# Altium PCB Velvet_Controller_V2.0_2023.PcbDoc (part 3 of 4) (continued)
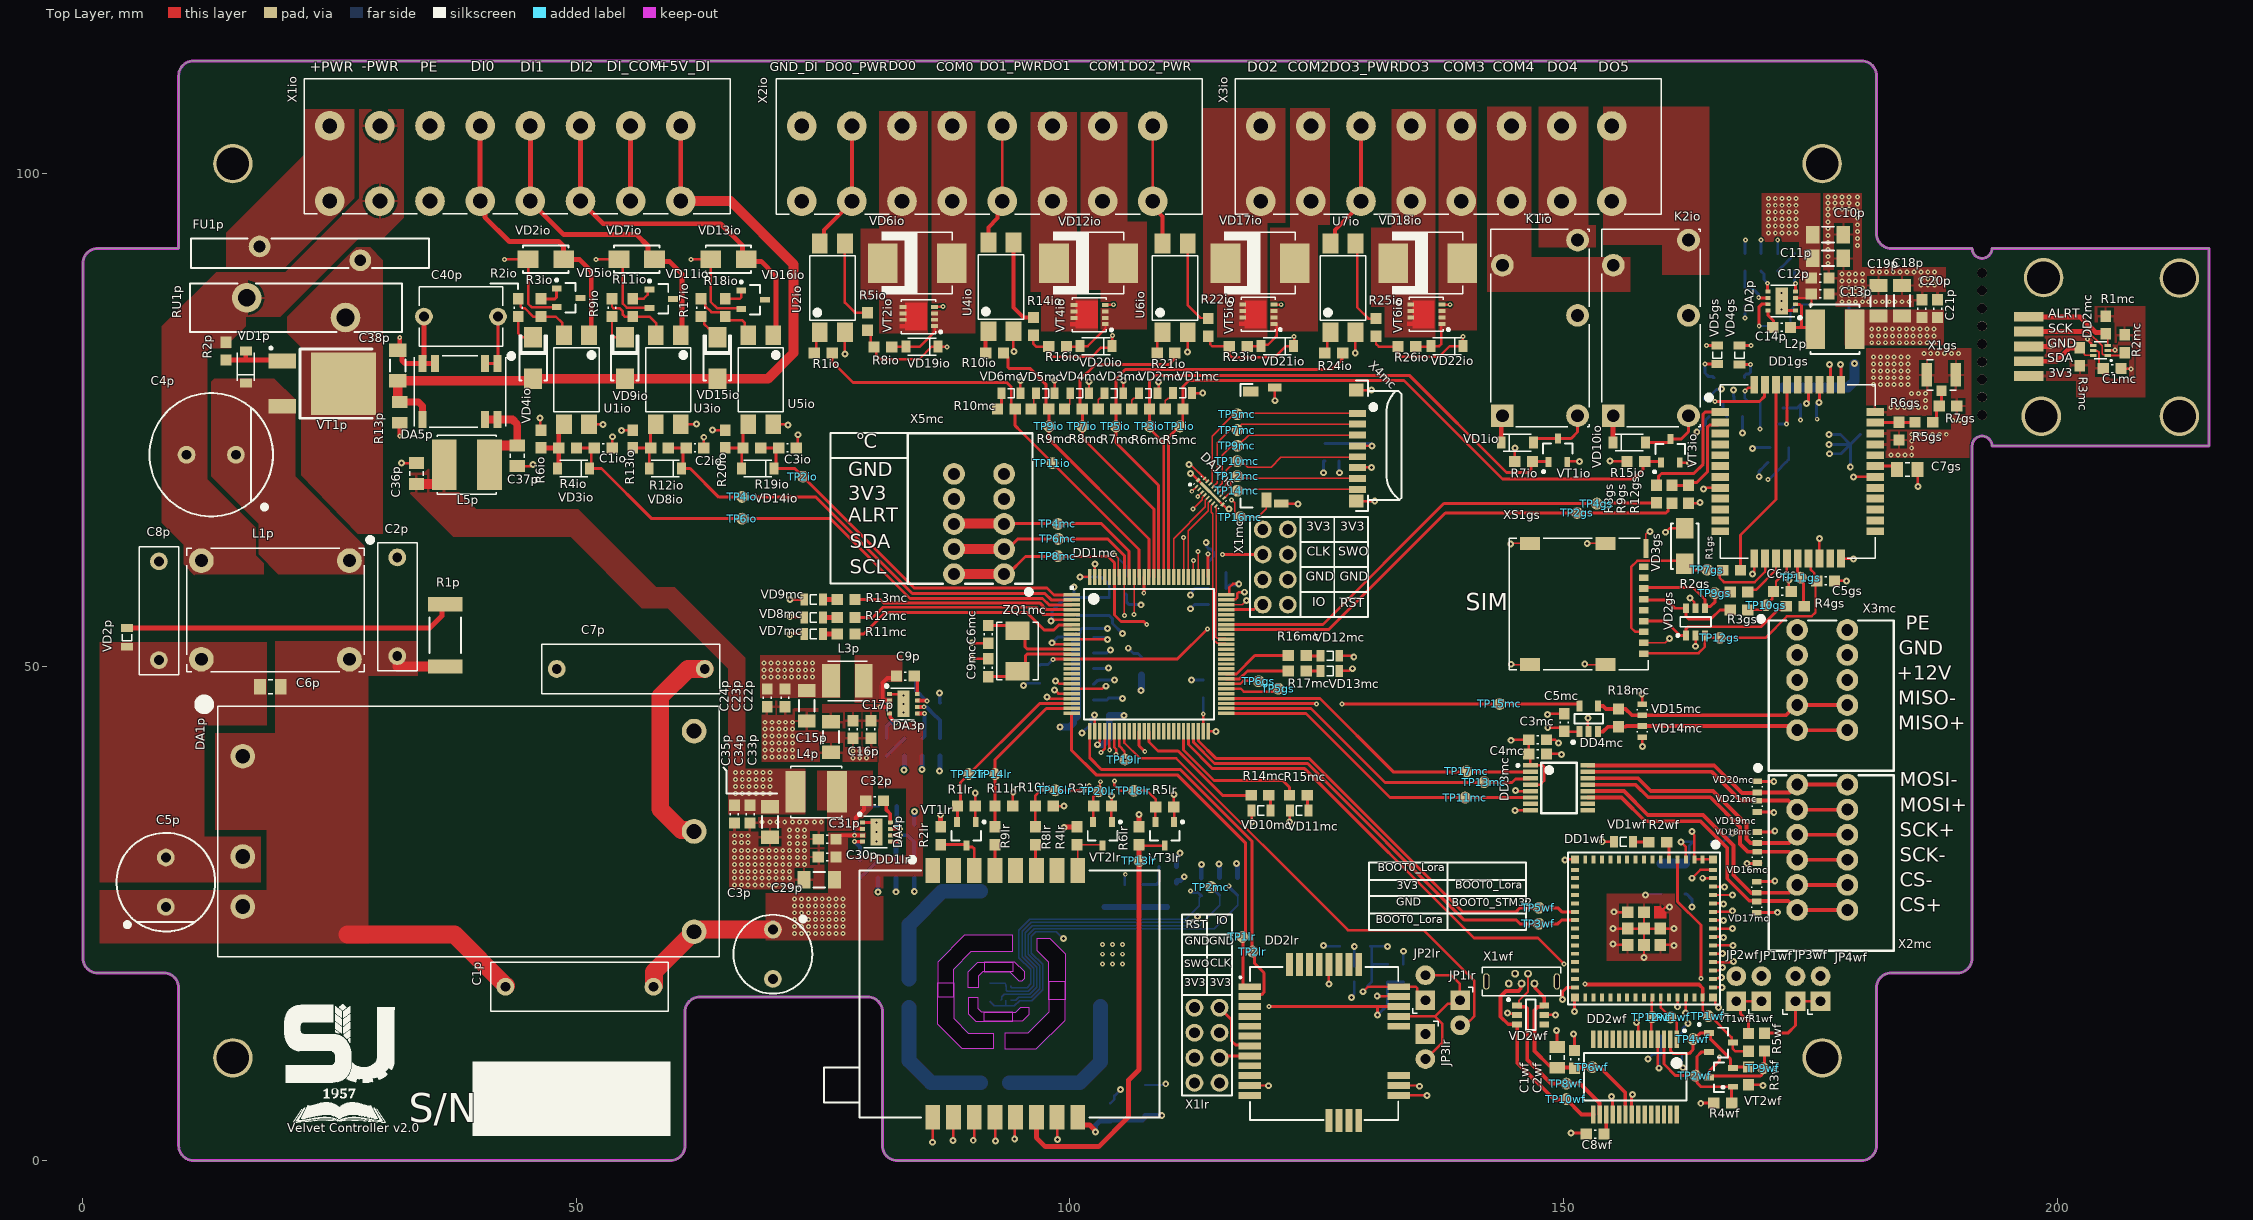
[diagram p0: Top Layer view]
## Nets (pads, with @x,y where several pads share a name; then routed paths per layer and width w, separated by ;. In a path a pad name is that pad's centre, name@x,y a point inside that pad or via, vN(x,y) a via of type N, cw(c..) or ccw(c..) an arc to the next point about the centre after c; other vN are vias at no path point) (continued)
  other v2: 105.3,53.4
GND_DI: C38p.2 C40p.2 DA5p.6 DA5p.7 R13p.1 X2io.1 X2io.9 | length 22.3
  Top Layer w0.5: v1(32.1,73.4) R13p.1@32.1,74.75 ; v1(32.1,83.4) 32.1,82.3 C38p.2@31.9,82.1 31.907,82.1 32.332,81.675 32.332,81.03 32.625,80.737 DA5p.7@34.39,80.737 ; C40p.2@34.55,85.5 34.55,81.347 34.39,81.187 DA5p.7@34.39,80.737 ; DA5p.6@35.66,80.737 DA5p.7@34.39,80.737
  INT1 w0.5: v1(32.1,73.4) v1(32.1,83.4)
GND_TS: C1mc.2 DD2mc.2 DD2mc.4 pad.5@197.125,82.475 | length 5
  Top Layer w0.25: v1(203.09,83.22) 203.138,83.172 203.138,83.097 203.45,82.785 203.45,82.6 203.475,82.575 DD2mc.4@203.66,82.575 ; DD2mc.2@205.14,82.075 205.85,82.075 v1(205.85,82.125) ; C1mc.2@206.475,80.225 206.48,80.22 207.455,80.22 v1(207.475,80.2)
  Top Layer w0.5: pad.5@197.125,82.475 v1(199.4,82.475)
GSM_EN: DD1mc.56 R15gs.2 TP5gs.1 VT3gs.1 | length 68.1
  Top Layer w0.25: DD1mc.56@115.825,47.8 117.3,47.8 117.6,47.5 120.543,47.5 120.843,47.8 v1(121.1,47.8)
  INT1 w0.25: v1(121.1,47.8) 128.75,47.8 145.425,64.475 166.275,64.475 v1@170.75,68.95
  Bottom Layer w0.25: v1(170.7,69) 170.748,69.048 170.848,69.048 172.075,70.275 172.075,70.3 172.5,70.725 R15gs.2@172.525,70.725 172.8,71 VT3gs.1@172.8,72.225
GSM_NETLIGHT: DD1gs.41 R14gs.2 VT2gs.1 | length 9
  Top Layer w0.3: v1(165.325,76.9) 169.849,76.9 170.375,77.426 170.375,78.55 DD1gs.41@170.425,78.6
  Bottom Layer w0.3: v1(165.325,76.9) 166.175,76.9 166.175,75.75 R14gs.2@166.55,75.375
GSM_PWRKEY: DD1gs.39 VT3gs.3 | length 4.7
  Top Layer w0.3: v1(172.6,74.625) 172.625,74.65 DD1gs.39@172.625,78.6
  Bottom Layer w0.3: VT3gs.3@171.85,74.625 v1(172.6,74.625)
GSM_STATUS: DD1gs.42 DD1mc.57 R13gs.2 TP6gs.1 VT1gs.1 | length 73.4
  Top Layer w0.25: DD1mc.57@115.825,48.3 117.275,48.3 117.575,48.6 119.075,48.6 v1(119.125,48.55) ; v1(168.375,77.95) 168.696,78.271 169.05,78.271 169.325,78.546 DD1gs.42@169.325,78.6
  INT1 w0.25: v1(119.125,48.55) 119.171,48.55 119.396,48.325 128.584,48.325 145.209,64.95 164.125,64.95 169.875,70.7 v1@169.875,74.1
  Bottom Layer w0.25: v1(168.375,77.95) 168.375,77.225 168.675,76.925 169.779,76.925 169.925,76.779 R13gs.2@169.925,75.375 169.925,74.125 v1(169.9,74.1)
GSM_UART1_RX: DD1gs.2 R9gs.1 R12gs.2 | length 10.2
  Top Layer w0.3: R9gs.1@161,68.4 R12gs.2@162.65,68.4 162.924,68.674 163.474,68.674 164.6,69.8 164.6,74.337 164.776,74.513 165.638,74.513 DD1gs.2@165.875,74.75
GSM_UART1_TX: DD1gs.1 R8gs.1 | length 12.9
  Top Layer w0.3: R8gs.1@159.425,68.425 159.599,68.599 159.599,69.274 159.925,69.6 163.2,69.6 164.15,70.55 164.15,75.624 164.376,75.85 DD1gs.1@165.875,75.85
LORA_LINK: DD1mc.45 R15mc.2 | length 15
  Top Layer w0.3: DD1mc.45@111.5,43.475 111.5,41.586 114.586,38.5 121.55,38.5 122.245,37.805 R15mc.2@122.245,37
LoRa_UART2_RX: DD1mc.25 DD2lr.1 TP1lr.1 | length 40.5
  Top Layer w0.3: DD1mc.25@100.175,45.3 100.175,41.55 102.65,39.075 110.875,39.075 117.8,32.15 117.8,22.65 117.507,22.357 117.507,17.8 117.707,17.6 DD2lr.1@118.205,17.6
LoRa_UART2_TX: DD1mc.26 DD2lr.2 TP2lr.1 | length 40.1
  Top Layer w0.3: DD1mc.26@102,43.475 102,40.8 103.175,39.625 111.174,39.625 118.45,32.349 118.45,21.375 TP2lr.1@118.61,21.215 ; DD2lr.2@118.205,16.6 118.405,16.8 119.417,16.8 119.655,17.038 119.655,19.02 118.672,20.003 118.672,21.003 TP2lr.1@118.5,21.175
LVDS_ADC_CS_N: DD3mc.12 VD16mc.2 X2mc.5 X2mc.11 | length 32.7
  Top Layer w0.381: DD3mc.12@152.45,37.425 156.125,37.425 158.54,35.01 164.138,35.01 167.225,31.923 167.225,28.9 169.043,27.082 169.907,27.082 169.95,27.125 172.875,27.125 X2mc.5@173.675,27.925 X2mc.11@178.755,27.925
LVDS_ADC_CS_P: DD3mc.11 VD17mc.2 X2mc.6 X2mc.12 | length 32.9
  Top Layer w0.381: DD3mc.11@152.45,36.775 155.877,36.775 158.277,34.375 163.875,34.375 166.59,31.66 166.59,28.538 168.816,26.312 169.548,26.312 169.575,26.285 172.775,26.285 X2mc.6@173.675,25.385 X2mc.12@178.755,25.385
LVDS_ADC_MISO_N: DD4mc.4 R18mc.2 VD15mc.2 X3mc.4 X3mc.9 | length 25.9
  Top Layer w0.381: DD4mc.4@153.5,46.05 153.99,46.05 154.29,45.75 R18mc.2@155.55,45.75 156.29,45.75 156.926,45.115 VD15mc.2@157.975,45.115 172.525,45.115 X3mc.4@173.55,46.14 ; X3mc.4@173.67,46.14 X3mc.9@178.75,46.14
LVDS_ADC_MISO_P: DD4mc.3 R18mc.1 VD14mc.2 X3mc.5 X3mc.10 | length 25.5
  Top Layer w0.381: DD4mc.3@153.5,43.45 153.99,43.45 154.49,43.95 R18mc.1@155.55,43.95 156.29,43.95 156.35,44.01 VD14mc.2@157.975,44.01 173.14,44.01 X3mc.5@173.55,43.6 ; X3mc.5@173.67,43.6 X3mc.10@178.75,43.6
LVDS_ADC_MOSI_N: DD3mc.16 VD20mc.2 X2mc.1 X2mc.7 | length 27.8
  Top Layer w0.381: DD3mc.16@152.45,40.025 165.273,40.025 168.074,37.224 169.244,37.224 169.31,37.29 170,37.29 172.88,37.29 X2mc.1@173.675,38.085 X2mc.7@178.755,38.085
LVDS_ADC_MOSI_P: DD3mc.15 VD21mc.2 X2mc.2 X2mc.8 | length 27.9
  Top Layer w0.381: DD3mc.15@152.45,39.375 165.025,39.375 167.94,36.46 170,36.46 172.76,36.46 X2mc.2@173.675,35.545 X2mc.8@178.755,35.545
LVDS_ADC_SCK_N: DD3mc.13 VD18mc.2 X2mc.4 X2mc.10 | length 30.5
  Top Layer w0.381: DD3mc.13@152.45,38.075 157.302,38.075 158.577,36.8 164.875,36.8 167.89,33.785 167.89,32.062 168.682,31.27 170,31.27 172.87,31.27 X2mc.4@173.675,30.465 X2mc.10@178.755,30.465
LVDS_ADC_SCK_P: DD3mc.14 VD19mc.2 X2mc.3 X2mc.9 | length 30.2
  Top Layer w0.381: DD3mc.14@152.45,38.725 157.55,38.725 158.84,37.435 165.138,37.435 168.525,34.048 168.525,32.575 168.935,32.165 172.835,32.165 X2mc.3@173.675,33.005 X2mc.9@178.755,33.005
MK_GSM_RX: DD1mc.69 R8gs.2 TP4gs.1 | length 48.7
  Top Layer w0.3: DD1mc.69@115.825,54.3 125.625,54.3 137.875,66.55 TP4gs.1@153.375,66.55 153.45,66.625 R8gs.2@159.425,66.625
MK_GSM_TX: DD1mc.68 R9gs.2 TP2gs.1 | length 50.7
  Top Layer w0.3: DD1mc.68@115.825,53.8 126.225,53.8 138.025,65.6 160.375,65.6 160.607,65.832 160.607,66.207 R9gs.2@161,66.6
MK_LVDS_CS: DD1mc.51 DD3mc.6 TP11mc.1 | length 34.4
  Top Layer w0.3: DD1mc.51@115.825,45.3 123.9,45.3 132.425,36.775 TP11mc.1@140.025,36.775 141.975,36.775 DD3mc.6@146.65,36.775
MK_LVDS_MISO: DD1mc.53 DD4mc.5 TP15mc.1 | length 35.9
  Top Layer w0.3: DD1mc.53@115.825,46.3 124.871,46.3 124.921,46.25 v1(124.975,46.25) ; v1@127.55,46.25 TP15mc.1@143.525,46.25 151.45,46.25 151.6,46.1 DD4mc.5@151.6,46.05
  INT1 w0.3: v1(124.975,46.25) v1(127.575,46.25)
MK_LVDS_MOSI: DD1mc.54 DD3mc.2 TP17mc.1 | length 33.9
  Top Layer w0.3: DD1mc.54@115.825,46.8 125.325,46.8 132.75,39.375 DD3mc.2@146.65,39.375
MK_LVDS_SCK: DD1mc.52 DD3mc.3 TP13mc.1 | length 34.1
  Top Layer w0.3: DD1mc.52@115.825,45.8 124.425,45.8 131.925,38.3 141.925,38.3 144.775,38.3 145.125,38.65 146.575,38.65 DD3mc.3@146.65,38.725
MK_To_RFID_EN: DD1mc.31 R5lr.1 TP18lr.1 VT3lr.2 | length 12.7
  Top Layer w0.25: DD1mc.31@104.5,43.475 104.5,41.842 104.675,41.667 v1(104.675,41.125) ; v1(104.504,38.458) 104.504,38.021 105.075,37.45 107.825,37.45 108.7,36.575 R5lr.1@108.7,35.8 108.65,35.75 VT3lr.2@108.65,34.3
  INT1 w0.25: v1(104.504,38.458) 104.5,38.463 104.5,40.882 104.675,41.057 v1(104.675,41.125)
MK_To_RFID_GPI: DD1mc.30 R3lr.1 TP20lr.1 VT2lr.2 | length 9.9
  Top Layer w0.25: VT2lr.2@102.35,34.3 102.35,36.825 102.85,37.325 102.85,37.35 TP20lr.1@102.9,37.4 ; TP20lr.1@102.775,37.425 103.04,37.69 103.04,38.248 103.1,38.307 v1(103.1,38.375) ; DD1mc.30@104,43.475 104,41.6 v1(104.025,41.575) v1@104.025,41.55
  INT1 w0.25: v1(103.1,38.375) 103.975,39.25 103.975,41.457 104.025,41.507 v1(104.025,41.575)
MK_To_RFID_GPO: DD1mc.29 R8lr.1 R10lr.2 TP16lr.1 | length 15.2
  Top Layer w0.25: R8lr.1@96.5,33.8 R10lr.2@96.5,35.9 96.5,36.973 97.038,37.512 101.487,37.512 v1(101.95,37.975) ; v1(103.125,41.325) 103.5,41.7 DD1mc.29@103.5,43.475
  INT1 w0.25: v1(101.95,37.975) 101.979,38.004 101.979,38.329 103.125,39.475 v1(103.125,41.325)
MK_to_RFID_RX: DD1mc.24 R9lr.1 R11lr.2 TP14lr.1 | length 16.7
  Top Layer w0.3: R9lr.1@92.4,33.8 R11lr.2@92.4,35.9 92.4,40.6 97.6,45.8 DD1mc.24@100.175,45.8
MK_to_RFID_TX: DD1mc.23 R1lr.1 TP12lr.1 VT1lr.2 | length 18.7
  Top Layer w0.3: VT1lr.2@88.55,34.3 88.6,34.35 R1lr.1@88.6,35.9 88.912,36.212 88.912,38.287 96.925,46.3 DD1mc.23@100.175,46.3
NetC1p_1: C1p.1 C2p.2 C5p.1 C6p.1 DA1p.1 DA1p.3 L1p.2 R1p.2 | length 24.1
  Top Layer w1: C2p.2@31.85,51.1 31.85,50.05 R1p.2@36.7,50.05
  Top Layer w1.8: 26.8,22.9 37.65,22.9 C1p.1@42.85,17.7
NetC4p_1: C4p.1 L1p.1 VD1p.1 VT1p.2
NetC5p_2: C5p.2 C6p.2 C7p.1 C8p.1 DA1p.2 L1p.4 VD2p.2 | length 38.8
  Top Layer w2.2: L1p.4@12,50.694 L1p.4@12,50.775
  INT1 w1.8: L1p.4@12,50.775 12.134,50.641 12.134,49.186 13.32,48 31.508,48 33.308,49.8 C7p.1@48,49.8
NetC6mc_2: C6mc.2 DD1mc.12 ZQ1mc.2 | length 10.2
  Top Layer w0.3: C6mc.2@91.725,54.2 94.15,54.2 ZQ1mc.2@94.675,53.675 ; ZQ1mc.2@94.244,53.2 95.125,53.2 95.45,52.875 95.45,52.05 95.7,51.8 DD1mc.12@100.175,51.8
NetC7gs_1: C7gs.1 DD1gs.28 | length 2.3
  Top Layer w0.3: DD1gs.28@181.575,70.35 183.425,70.35 C7gs.1@183.775,70
NetC7mc_1: C7mc.1 DD1mc.49 | length 3.4
  Top Layer w0.3: DD1mc.49@113.5,43.475 v1(113.5,45.225)
  Bottom Layer w0.3: v1(113.5,45.225) C7mc.1@113.5,46.875
NetC8mc_1: C8mc.1 DD1mc.73 | length 4.5
  Top Layer w0.15: DD1mc.73@115.825,56.3 117.45,56.3 v2(117.9,56.75)
  Bottom Layer w0.15: C8mc.1@115.825,56.325 117.475,56.325 v2(117.9,56.75)
NetC8wf_1: C8wf.1 DD2wf.17 | length 2.1
  Top Layer w0.381: C8wf.1@154.1,2.675 154.325,2.9 DD2wf.17@154.325,4.675
NetC9mc_2: C9mc.2 DD1mc.13 ZQ1mc.1 | length 9.9
  Top Layer w0.3: C9mc.2@91.725,49.025 94.125,49.025 ZQ1mc.1@94.675,49.575 ; ZQ1mc.1@94.675,49.475 95.474,50.274 95.474,51.124 95.65,51.3 DD1mc.13@100.175,51.3
NetC9p_1: C9p.1 DA3p.8 | length 1.9
  Top Layer w0.381: C9p.1@84.225,49.069 84.525,48.769 DA3p.8@84.525,47.244
NetC9p_2: C9p.2 DA3p.2 L3p.1 | length 4.1
  Top Layer w0.381: DA3p.2@81.725,46.594 81.715,46.604 81.223,46.604 81,46.827 81,48.394 81.501,48.896 82.251,48.896 C9p.2@82.425,49.069
NetC14p_1: C14p.1 DA2p.8 | length 1.9
  Top Layer w0.3: DA2p.8@170.7,86.1 170.7,85.65 171.25,85.1 171.25,84.45 C14p.1@171.2,84.4
NetC14p_2: C14p.2 DA2p.2 L2p.1 | length 5.5
  Top Layer w0.3: C14p.2@173,84.4 173.919,84.4 ; DA2p.2@173.5,86.75 173.531,86.719 173.956,86.719 174.125,86.55 174.125,84.606 173.919,84.4 ; L2p.1@175.5,84.2 175.3,84.4 173.919,84.4
NetC25p_1: C25p.1 R8p.1 | length 2.6
  Bottom Layer w0.381: R8p.1@81.425,40.969 81.425,40.994 81.784,41.354 81.809,41.354 82.84,42.385 82.865,42.385 83.225,42.744 C25p.1@83.225,42.769
NetC26p_1: C26p.1 R7p.1 | length 2.5
  Bottom Layer w0.3: C26p.1@171.7,90.1 171.7,90.125 172.1,90.525 172.125,90.525 173,91.4 173,91.5 R7p.1@173.4,91.9
NetC27p_1: C27p.1 DA2p.5 | length 2.3
  Top Layer w0.3: v1(170.675,88.875) 170.675,88.075 DA2p.5@170.7,88.05
  Bottom Layer w0.3: C27p.1@170,90.1 170.299,89.801 170.299,89.251 v1(170.675,88.875)
NetC28p_1: C28p.1 DA3p.5 | length 3.3
  Top Layer w0.381: DA3p.5@84.525,45.294 v1(85.25,45.294)
  Bottom Layer w0.381: C28p.1@85.025,42.769 85.25,42.994 v1(85.25,45.294)
NetC32p_1: C32p.1 DA4p.8 | length 2.5
  Top Layer w0.381: C32p.1@81.1,36.45 81.373,36.177 81.373,35.552 81.8,35.125 DA4p.8@81.8,34.25
NetC32p_2: C32p.2 DA4p.2 L4p.1 | length 3.7
  Top Layer w0.381: DA4p.2@79,33.6 78.99,33.61 78.709,33.61 78.275,34.043 78.275,34.7 79.127,35.552 79.127,36.277 C32p.2@79.3,36.45
NetC37p_1: C37p.1 DA5p.13 DA5p.14 L5p.2 | length 9.9
  Top Layer w0.8: DA5p.13@40.74,75.062 DA5p.14@42.01,75.062 43.531,75.062 44,74.594 C37p.1@44,72.45
  Top Layer w1: L5p.2@41.2,70.5 41.2,71.7 41.95,72.45 C37p.1@44,72.45
NetC39p_1: C39p.1 R14p.2 | length 2.6
  Bottom Layer w0.381: R14p.2@78.725,28.625 78.725,28.65 79.084,29.01 79.159,29.01 80.165,30.016 80.19,30.016 80.55,30.375 C39p.1@80.55,30.4
NetC41p_1: C41p.1 DA4p.5 | length 3.1
  Top Layer w0.381: DA4p.5@81.8,32.3 v1(82.8,32.3)
  Bottom Layer w0.5: C41p.1@82.375,30.425 82.375,31.875 v1(82.8,32.3)
NetDA2p_4: DA2p.4 R7p.2 | length 2.1
  Top Layer w0.3: DA2p.4@173.5,88.05 v1(173.5,88.85)
  Bottom Layer w0.3: R7p.2@173.4,90.1 173.4,89.004 173.5,88.904 v1(173.5,88.85)
NetDA2p_6: DA2p.6 R5p.2 R9p.2 | length 4.6
  Top Layer w0.3: v1(169.775,87.425) 169.8,87.4 DA2p.6@170.7,87.4
  Bottom Layer w0.3: R9p.2@168.4,90.1 R5p.2@168.4,88.4 168.524,88.276 169.224,88.276 169.737,87.763 169.737,87.463 v1(169.775,87.425)
NetDA2p_7: DA2p.7 R3p.1 | length 4.4
  Top Layer w0.3: v1(169.825,84.525) 169.825,86.5 170.075,86.75 DA2p.7@170.7,86.75
  Bottom Layer w0.2: v1(169.825,84.525) 171.075,84.525 R3p.1@171.2,84.4
NetDA3p_4: DA3p.4 R8p.2 | length 3.5
  Top Layer w0.381: DA3p.4@81.725,45.294 81.775,45.294 81.784,45.285 81.784,44.891 v1(82.35,44.325)
  Bottom Layer w0.381: R8p.2@81.425,42.769 81.425,43.969 81.78,44.325 v1(82.35,44.325)
NetDA3p_6: DA3p.6 R6p.2 R10p.2 | length 4.7
  Top Layer w0.381: DA3p.6@84.525,45.944 85.168,45.944 85.193,45.969 v1(85.225,45.969)
  Bottom Layer w0.381: v1(85.225,45.969) 85.247,45.947 85.447,45.947 86.44,44.954 86.465,44.954 86.825,44.594 R6p.2@86.825,44.569 R10p.2@86.825,42.769
NetDA3p_7: DA3p.7 R4p.2 | length 4.1
  Top Layer w0.381: DA3p.7@84.525,46.594 85.468,46.594 85.493,46.569 v1(85.525,46.569)
  Bottom Layer w0.381: R4p.2@84.225,49.069 84.4,48.894 84.4,47.625 85.396,46.629 85.433,46.629 85.493,46.569 v1(85.525,46.569)
NetDA4p_4: DA4p.4 R14p.1 | length 2.9
  Top Layer w0.381: v1(78.175,32.3) DA4p.4@79,32.3
  Bottom Layer w0.381: v1(78.175,32.3) 78.725,31.75 R14p.1@78.725,30.425
NetDA4p_6: DA4p.6 R12p.1 R15p.2 | length 4.6
  Top Layer w0.381: DA4p.6@81.8,32.95 v1(82.825,32.95)
  Bottom Layer w0.381: v1(82.825,32.95) 83.525,32.95 83.84,32.634 83.865,32.634 84.225,32.275 R12p.1@84.225,32.25
  Bottom Layer w0.5: R15p.2@84.225,30.4 R12p.1@84.225,32.25
NetDA4p_7: DA4p.7 R11p.2 | length 3.5
  Top Layer w0.381: DA4p.7@81.8,33.6 v1(82.85,33.6)
  Bottom Layer w0.5: R11p.2@82.45,35.875 82.45,34 v1(82.85,33.6)
NetDD1gs_15: DD1gs.15 R2gs.2 | length 4.8
  Top Layer w0.25: R2gs.2@168.854,57.504 168.854,57.532 169.125,57.804 169.479,57.804 171.525,59.85 DD1gs.15@171.525,61
NetDD1gs_32: DD1gs.32 R5gs.1 R6gs.2 | length 4
  Top Layer w0.3: DD1gs.32@181.575,74.75 185.55,74.75 R5gs.1@185.6,74.8
NetDD1mc_59: DD1mc.59 R16mc.2 | length 7.1
  Top Layer w0.3: DD1mc.59@115.825,49.3 116.875,49.3 118.725,51.15 R16mc.2@122.125,51.15
NetDD1mc_94: DD1mc.94 R4mc.2 | length 5.2
  Top Layer w0.15: v1(104.5,61.4) 104.9,61 104.9,59.225 DD1mc.94@105,59.125
  Bottom Layer w0.15: v1(104.5,61.4) 105.65,60.25 R4mc.2@105.65,59.2
NetFU1p_2: FU1p.2 RU1p.2 VT1p.3
NetJP1wf_1: JP1wf.1 JP2wf.1 R1wf.2 | length 6.6
  Top Layer w0.3: R1wf.2@168.75,12.875 168.75,14.05 167.939,14.861 167.939,15.846 167.65,16.135 JP1wf.1@170.575,16.135
NetJP3wf_1: JP3wf.1 JP4wf.1 R5wf.1 | length 8.9
  Top Layer w0.3: R5wf.1@170.35,12.9 172.725,12.9 173.5,13.675 JP3wf.1@173.5,16.135 JP4wf.1@176.426,16.135
NetK1io_5: K1io.5 VD1io.2 VT1io.3 | length 6.6
  Top Layer w0.3: VD1io.2@146.96,72.725 146.96,72.845 147.265,73.15 VT1io.3@149.425,73.15 150.775,73.15 151.42,73.795 K1io.5@151.42,75.46
NetK2io_5: K2io.5 VD10io.2 VT3io.3 | length 6.6
  Top Layer w0.3: VD10io.2@158.3,72.75 160.675,72.75 160.825,72.9 VT3io.3@160.825,73.1 161.925,73.1 162.66,73.835 K2io.5@162.66,75.46
NetR1io_2: R1io.2 U2io.1 | length 2.3
  Top Layer w0.25: R1io.2@74.1,81.825 74.3,82.025 74.3,83.545 U2io.1@74.655,83.9
NetR1p_1: R1p.1 VD2p.1 | length 33.7
  Top Layer w0.5: VD2p.1@4.475,53.95 35.15,53.95 36.368,55.168 36.368,56.018 R1p.1@36.7,56.35
NetR2io_1: R2io.1 VD4io.1 | length 3.4
  Top Layer w0.25: R2io.1@44.1,85.5 44.1,83.8 44.481,83.419 45.591,83.419 VD4io.1@45.61,83.4
NetR2io_2: R2io.2 R3io.2 U1io.2 | length 7.1
  Top Layer w0.25: R2io.2@44.1,87.3 44.354,87.046 44.354,86.496 44.5,86.35 44.764,86.35 45.614,85.5 47.9,85.5 48.571,84.829 48.571,83.759 U1io.2@48.73,83.6
NetR2p_2: R2p.2 VD1p.2 VT1p.1 | length 6.7
  Top Layer w0.5: R2p.2@14.5,81.1 16.5,81.1 ; VD1p.2@16.5,82.035 16.5,81.1 ; VT1p.1@20.2,80.986 20.086,81.1 16.5,81.1
NetR2wf_2: R2wf.2 VD1wf.1 | length 1.6
  Top Layer w0.3: VD1wf.1@157.025,32.3 157.075,32.25 R2wf.2@158.65,32.25
NetR3gs_1: R3gs.1 VD2gs.6 XS1gs.C3 | length 10.4
  Top Layer w0.3: XS1gs.C3@158.125,56.85 158.2,56.775 160.45,56.775 161.275,55.95 VD2gs.6@162.425,55.95 162.425,55.125 162.675,54.875 164.95,54.875 165.85,55.775 R3gs.1@166.875,55.775
NetR3io_1: R3io.1 VD5io.1 | length 2.5
  Top Layer w0.3: R3io.1@46.41,87.3 47.824,87.3 48,87.476 VD5io.1@48,88.35
NetR4gs_1: R4gs.1 VD2gs.1 XS1gs.C2 | length 16.5
  Top Layer w0.3: XS1gs.C2@158.125,54.65 160.35,54.65 161.8,53.2 VD2gs.1@162.425,53.2 162.425,53.899 162.601,54.075 170,54.075 171.744,55.819 172.15,55.819 172.3,55.969 R4gs.1@172.3,56.15
NetR4io_2: R4io.2 R6io.2 U1io.3 VD3io.2 | length 6.7
  Top Layer w0.5: R6io.2@46.41,72.2 R4io.2@48.21,72.2 ; VD3io.2@48.075,70.1 48.21,70.1 R4io.2@48.21,72.2 ; U1io.3@48.73,74.6 48.21,74.08 R4io.2@48.21,72.2
NetR5gs_2: R5gs.2 R7gs.2 X1gs.1 | length 3.6
  Top Layer w0.3: R5gs.2@187.4,74.8 187.765,75.165 187.765,76.14 R7gs.2@188.05,76.425 ccw(c188.05,76.65) 188.275,76.65 X1gs.1@188.275,78
NetR5io_1: R5io.1 R8io.2 VD19io.1 VT2io.4 | length 15.8
  Top Layer w0.25: R5io.1@79.5,84.1 79.8,83.8 79.8,82.75 R8io.2@80.15,82.4 80.379,82.171 80.379,81.621 80.825,81.175 84.725,81.175 86,82.45 VD19io.1@86.645,82.45 87.525,82.45 v1(87.55,82.425) ; VT2io.4@86.275,86.475 87.1,86.475 v1(87.125,86.5)
  INT1 w0.25: v1(87.125,86.5) 87.55,86.075 v1(87.55,82.425)
NetR5io_2: R5io.2 U2io.3 | length 8.7
  Top Layer w0.25: U2io.3@77.195,92.9 77.195,86.905 78.2,85.9 R5io.2@79.5,85.9
NetR5mc_1: R5mc.1 VD1mc.1 | length 2.1
  Top Layer w0.15: R5mc.1@109.65,76.125 109.65,76.95 109.941,77.241 110.125,77.241 110.45,77.566 VD1mc.1@110.45,77.75
NetR6mc_1: R6mc.1 VD2mc.1 | length 2
  Top Layer w0.15: R6mc.1@106.25,76.125 106.25,77 106.466,77.216 106.65,77.216 106.975,77.541 VD2mc.1@106.975,77.725
NetR7mc_1: R7mc.1 VD3mc.1 | length 2
  Top Layer w0.15: R7mc.1@102.85,76.125 102.85,77.075 102.991,77.216 103.175,77.216 103.5,77.541 VD3mc.1@103.5,77.725
NetR8mc_1: R8mc.1 VD4mc.1 | length 1.9
  Top Layer w0.15: R8mc.1@99.45,76.125 99.475,76.125 99.95,76.6 99.95,77.65 VD4mc.1@100.025,77.725
NetR9io_1: R9io.1 VD9io.1 | length 3.3
  Top Layer w0.25: R9io.1@53.6,85.5 53.6,83.6 53.781,83.419 54.891,83.419 VD9io.1@54.91,83.4
NetR9io_2: R9io.2 R11io.2 U3io.2 | length 7.4
  Top Layer w0.25: R9io.2@53.6,87.3 53.6,86.496 53.746,86.35 54.35,86.35 54.7,86 54.7,85.7 54.931,85.469 55.679,85.469 R11io.2@55.71,85.5 57.4,85.5 58.071,84.829 58.071,83.641 U3io.2@58.03,83.6
NetR9mc_1: R9mc.1 VD5mc.1 | length 1.8
  Top Layer w0.15: R9mc.1@96.05,76.125 96.35,76.425 96.35,77.525 VD5mc.1@96.55,77.725
NetR10gs_1: R10gs.1 VD4gs.1 | length 2.3
  Top Layer w0.3: VD4gs.1@167.825,82.55 v1(168.975,82.55)
  Bottom Layer w0.3: R10gs.1@167.825,82.5 167.875,82.55 v1(168.975,82.55)
NetR10io_2: R10io.2 U4io.1 | length 2.3
  Top Layer w0.4: R10io.2@91.46,81.825 91.46,83.73 U4io.1@91.73,84
NetR10mc_1: R10mc.1 VD6mc.1 | length 1.8
  Top Layer w0.3: R10mc.1@92.65,76.125 92.675,76.125 93.075,76.525 VD6mc.1@93.075,77.725
NetR11gs_1: R11gs.1 VD5gs.1 | length 2.2
  Top Layer w0.3: v1(164.475,82.575) VD5gs.1@165.575,82.575
  Bottom Layer w0.3: v1(164.475,82.575) 165.525,82.575 R11gs.1@165.575,82.525
NetR11io_1: R11io.1 VD11io.1 | length 2.3
  Top Layer w0.25: R11io.1@55.71,87.3 56.8,87.3 57.221,87.721 57.221,88.075 57.396,88.25 VD11io.1@57.4,88.25
NetR11mc_1: R11mc.1 VD7mc.1 | length 1.5
  Top Layer w0.5: VD7mc.1@74.975,53.35 R11mc.1@76.425,53.35
NetR12io_2: R12io.2 R13io.2 U3io.3 VD8io.2 | length 6.8
  Top Layer w0.3: R13io.2@55.71,72.2 R12io.2@57.375,72.2 ; VD8io.2@57.375,70.1 R12io.2@57.375,72.2 ; U3io.3@58.03,74.6 57.51,74.6 R12io.2@57.51,72.2 R12io.2@57.375,72.2
NetR12lr_1: R12lr.1 VT4lr.3 | length 6.3
  Bottom Layer w0.6: 103.5,25.7 VT4lr.3@109.85,25.7
NetR12lr_2: R12lr.2 R13lr.1 | length 14.1
  Bottom Layer w1.5: R13lr.1@83.7,18.4 83.7,23.9 87.075,27.275 R12lr.2@90.95,27.275
NetR12mc_1: R12mc.1 VD8mc.1 | length 1.5
  Top Layer w0.5: VD8mc.1@74.975,55.025 R12mc.1@76.425,55.025
NetR13lr_2: R13lr.2 R14lr.1 | length 13.6
  Bottom Layer w1.5: R13lr.2@83.7,15.5 83.7,10.1 85.925,7.875 R14lr.1@90.95,7.875
NetR13mc_1: R13mc.1 VD9mc.1 | length 1.5
  Top Layer w0.5: VD9mc.1@74.975,56.825 R13mc.1@76.425,56.825
NetR14io_1: R14io.1 R16io.2 VD20io.1 VT4io.4 | length 15.4
  Top Layer w0.25: R14io.1@96.3,83.6 96.3,82.725 96.575,82.45 R16io.2@97.85,82.45 97.979,82.321 97.979,81.671 98.225,81.425 102.225,81.425 103.15,82.35 104.12,82.35 VD20io.1@104.27,82.5 104.27,83.57 v1(104.3,83.6) ; VT4io.4@103.462,86.7 v1(104.4,86.7)
  INT1 w0.25: v1(104.3,83.6) 104.3,83.668 104.4,83.768 v1(104.4,86.7)
NetR14io_2: R14io.2 U4io.3 | length 9
  Top Layer w0.4: U4io.3@94.27,93 94.27,86.43 95.3,85.4 R14io.2@96.3,85.4
NetR14lr_2: R14lr.2 R15lr.1 | length 15.7
  Bottom Layer w1.5: R14lr.2@93.85,7.875 100.975,7.875 103.1,10 R15lr.1@103.1,15.6
NetR14mc_1: R14mc.1 VD10mc.1 | length 1.6
  Top Layer w0.3: R14mc.1@120.15,37 120.3,36.85 VD10mc.1@120.3,35.475
NetR15mc_1: R15mc.1 VD11mc.1 | length 1.6
  Top Layer w0.3: R15mc.1@124.045,37 124.045,35.604 VD11mc.1@124.177,35.472
NetR16lr_1: R16lr.1 R17lr.2 VT4lr.1 | length 3.4
  Bottom Layer w0.3: R16lr.1@107.35,27.95 108.75,27.95 VT4lr.1@108.9,28.1 109,28.2 R17lr.2@109,29.8
NetR16mc_1: R16mc.1 VD12mc.1 | length 1.5
  Top Layer w0.3: R16mc.1@123.925,51.15 123.943,51.132 VD12mc.1@125.376,51.132
NetR17io_1: R17io.1 VD15io.1 | length 2.9
  Top Layer w0.25: R17io.1@62.6,85.5 62.968,85.132 62.968,84.712 63.355,84.325 63.505,84.325 64.28,83.55 VD15io.1@64.28,83.4
NetR17io_2: R17io.2 R18io.2 U5io.2 | length 7
  Top Layer w0.25: R17io.2@62.6,87.3 63.025,86.875 63.025,86.589 63.664,85.95 64.63,85.95 64.655,85.95 65.08,85.525 R18io.2@65.08,85.5 65.439,85.141 66.759,85.141 67.071,84.829 67.071,83.929 U5io.2@67.4,83.6
NetR17mc_1: R17mc.1 VD13mc.1 | length 1.5
  Top Layer w0.3: R17mc.1@123.925,49.6 VD13mc.1@125.375,49.6
NetR18io_1: R18io.1 VD16io.1 | length 2.4
  Top Layer w0.25: R18io.1@65.08,87.3 66.554,87.3 66.7,87.446 VD16io.1@66.7,88.15
NetR19io_2: R19io.2 R20io.2 U5io.3 VD14io.2 | length 6.8
  Top Layer w0.3: R20io.2@65.08,72.2 R19io.2@66.745,72.2 ; VD14io.2@66.745,70.1 R19io.2@66.745,72.2 ; U5io.3@67.4,74.6 66.88,74.6 R19io.2@66.88,72.2 R19io.2@66.745,72.2